# Altium PCB MotorController_ControlV1.1.PcbDoc
Units mil, origin at the board's own origin, x right, y up, seen from the top; angles counter-clockwise.
Board outline 2175.38 x 2765.94 mil, 2 copper layers (Top Layer, Bottom Layer); 82 components, 97 nets, 367 pads, 120 vias.
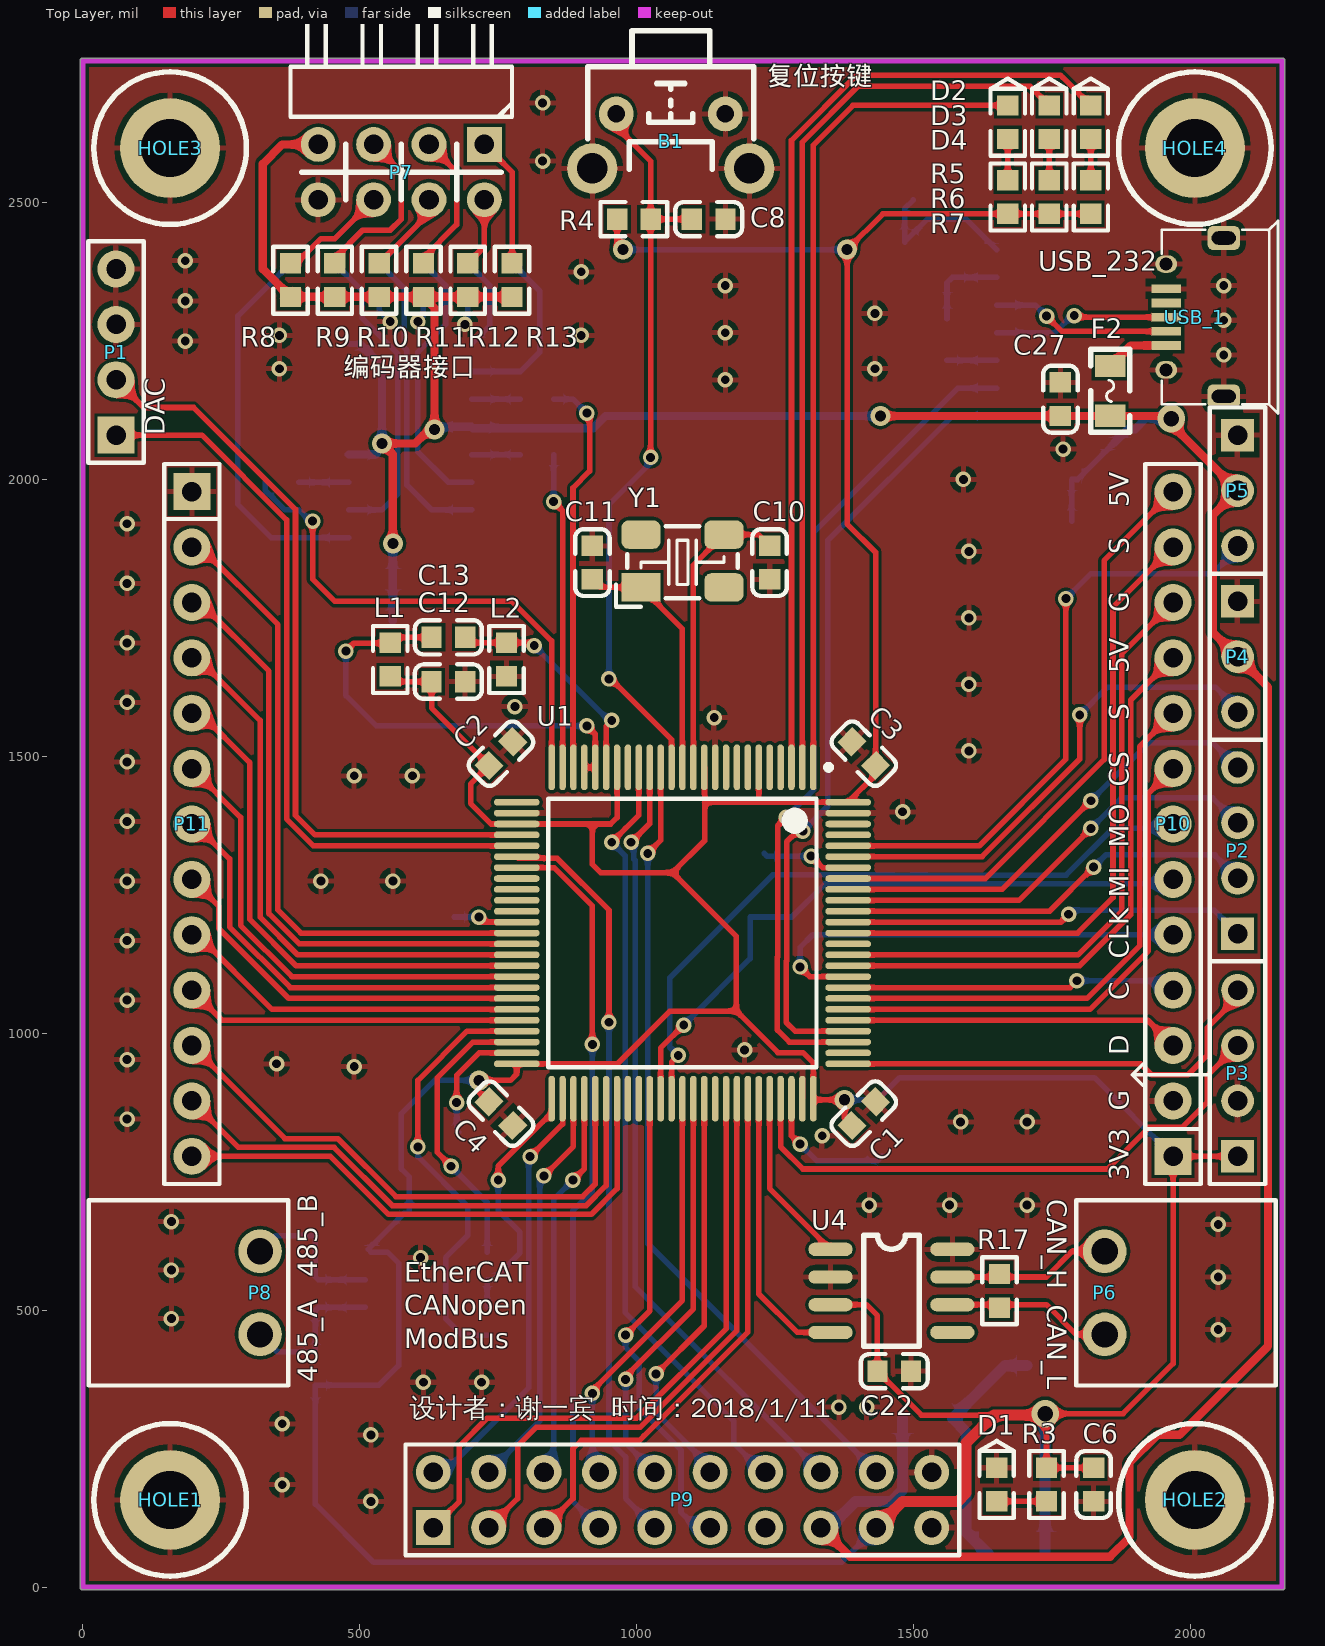
[diagram p0: Top Layer view]
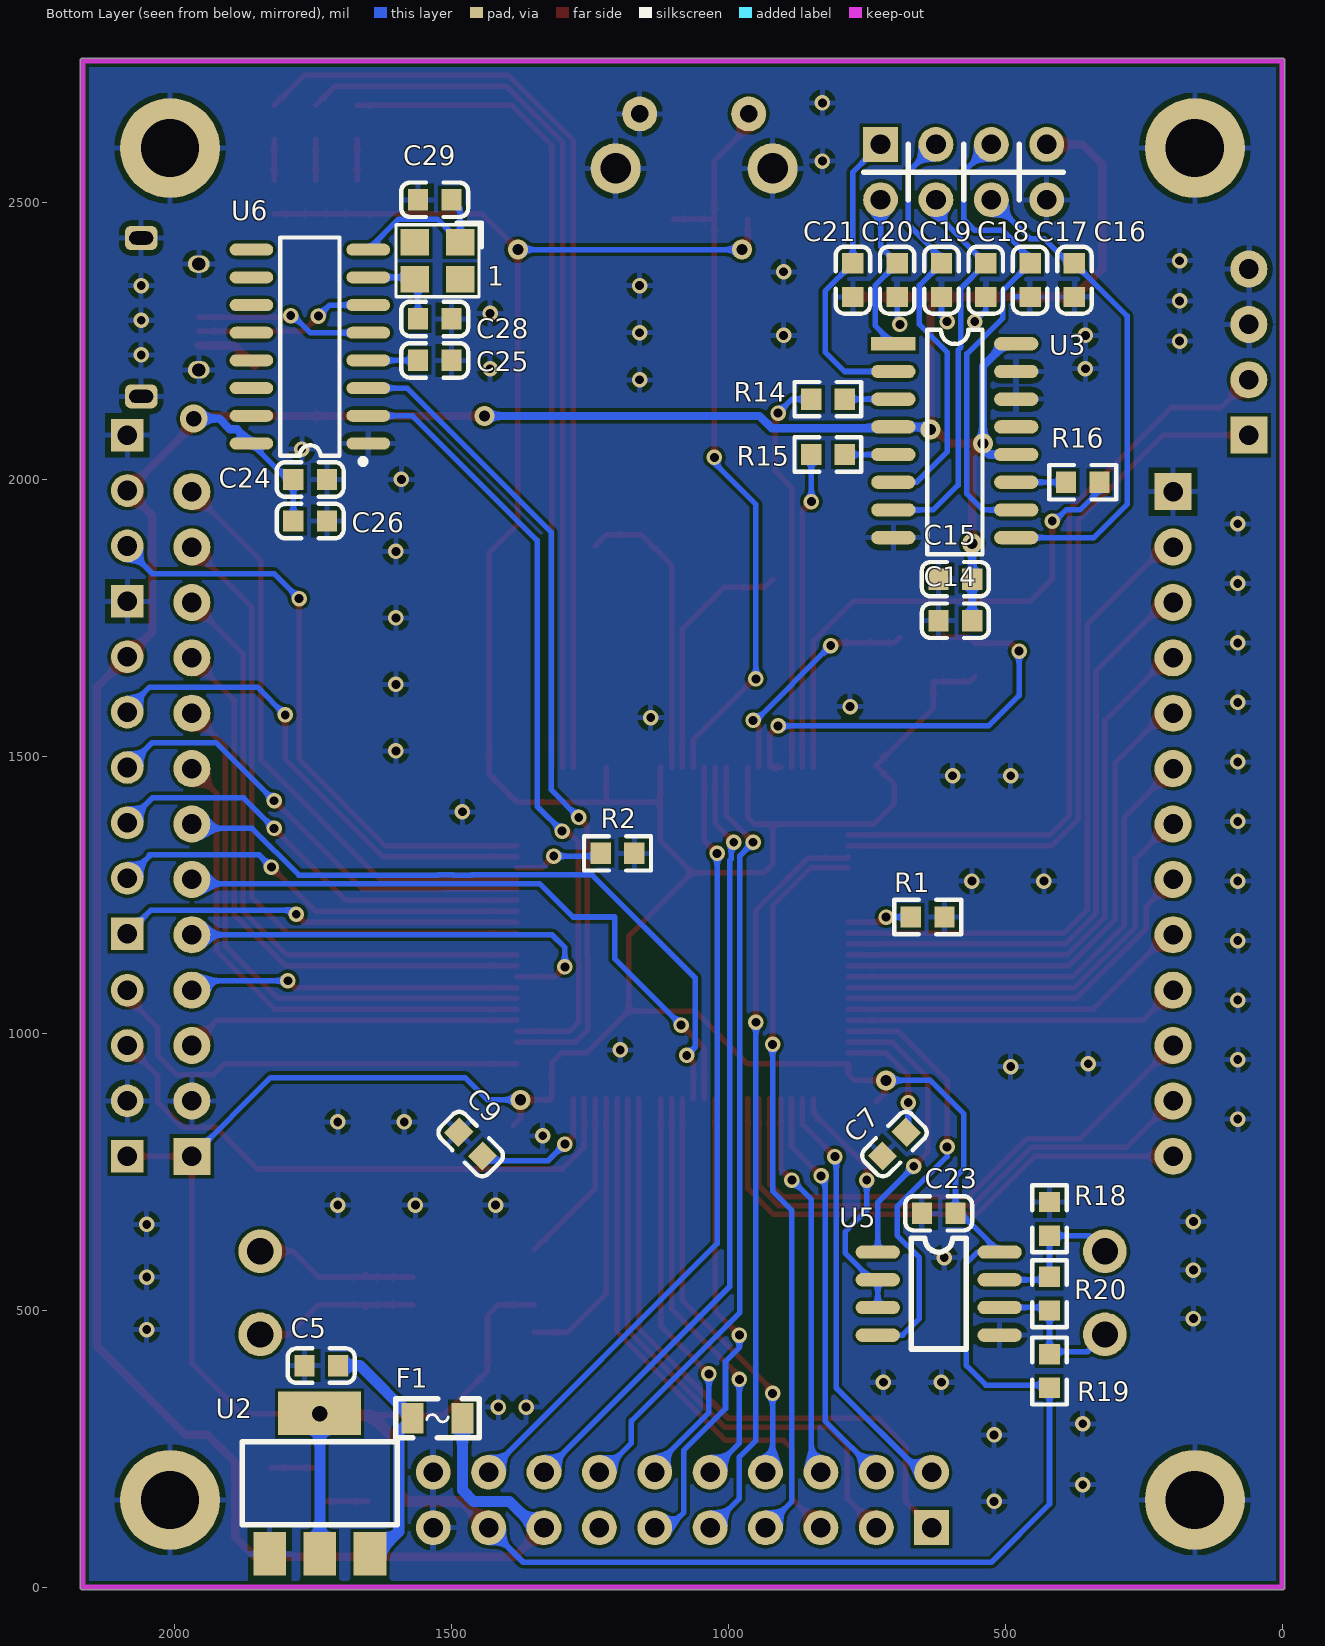
[diagram p1: Bottom Layer view, seen from below]

## Layer stack, top to bottom
Top Solder: solder mask 0.4, Solder Resist, Dk 3.5
Top Layer: signal copper 1.4
Dielectric 1: dielectric 12.6, FR-4, Dk 4.8
Bottom Layer: signal copper 1.4
Bottom Solder: solder mask 0.4, Solder Resist, Dk 3.5

## Board outline
-5.02,0 ccw(c0,0) 0,-5.01 2165.35,-5.01 ccw(c2165.35,0) 2170.37,0 2170.37,2755.91 ccw(c2165.35,2755.91) 2165.35,2760.92 0,2760.92 ccw(c0,2755.91) -5.02,2755.91

## Design rules (kind name [scope] priority, off if disabled: settings)
Clearance [All] p1: gap=6
PolygonConnect [All] p1: connectstyle=Relief reliefconductorwidth=10 reliefentries=4 polygonreliefangle="90 Angle" airgapwidth=10
RoutingVias [All] p1: holewidth=16 width=28 viastyle="Through Hole" minholewidth=16 minwidth=28 maxholewidth=28 maxwidth=50
SolderMaskExpansion [All] p1: expansion=4
Width [All] p1: maxlimit=100 minlimit=10 preferedwidth=10
30 further rules are at their usual default settings.

## Components (designator, comment, footprint, x,y, rotation, side; value= is the part's Value field where it differs from the comment)
1 "XTAL_4" "OSC 3225-4P" 1525,2395 r0 bottom
B1 "SW-PB" "TSW DIP-3*6*5_V" 1061.57,2660 r180 top
C1 "104" 0603_C 1410,855 r225 top
C2 "104" 0603_C 755,1505 r225 top
C3 "104" 0603_C 1410,1505 r315 top
C4 "104" 0603_C 755,855 r135 top
C5 "104" 0603_C 1735,400 r180 bottom
C6 "106" 0603_C 1825,185.31 r90 top
C7 "2.2uF" 0603_C 700,800 r135 bottom
C8 "104" 0603_C 1130,2470 r180 top
C9 "2.2uF" 0603_C 1465,800 r225 bottom
C10 "20p" 0603_C 1240,1850 r90 top
C11 "104" 0603_C 920,1850 r270 top
C12 "104" 0603_C 660,1635 r180 top
C13 "104" 0603_C 660,1715 r180 top
C14 "Cap" 0603_C 590,1745 r0 bottom
C15 "Cap" 0603_C 590,1820 r0 bottom
C16 "Cap" 0603_C 375,2360 r270 bottom
C17 "Cap" 0603_C 455,2360 r270 bottom
C18 "Cap" 0603_C 535,2360 r270 bottom
C19 "Cap" 0603_C 615,2360 r270 bottom
C20 "Cap" 0603_C 695,2360 r270 bottom
C21 "Cap" 0603_C 775,2360 r270 bottom
C22 "Cap" 0603_C 1465,390 r180 top
C23 "Cap" 0603_C 620,675 r180 bottom
C24 "106" 0603_C 1755,2000 r180 bottom
C25 "104" 0603_C 1530,2215 r0 bottom
C26 "104" 0603_C 1755,1925 r180 bottom
C27 "104" 0603_C 1765,2145 r270 top
C28 "22pF" 0603_C 1530,2290 r0 bottom
C29 "22pF" 0603_C 1530,2505 r180 bottom
D1 "LED" 0603_LED 1650,185.31 r270 top
D2 "LED" 0603_LED 1670,2645 r270 top
D3 "LED" 0603_LED 1745,2645 r270 top
D4 "LED" 0603_LED 1820,2645 r270 top
F1 "500ma" "FU 0805" 1525,305 r0 bottom
F2 "500ma" "FU 0805" 1855,2160 r90 top
HOLE1 "HOLE" M2.5x6+6_L 157.48,157.48 r0 top
HOLE2 "HOLE" M2.5x6+6_L 2007.87,157.48 r0 top
HOLE3 "HOLE" M2.5x6+6_L 157.48,2598.43 r0 top
HOLE4 "HOLE" M2.5x6+6_L 2007.87,2598.43 r0 top
L1 "120R100M磁珠" 0603_R 555,1675 r90 top
L2 "120R100M磁珠" 0603_R 765,1675 r90 top
P1 "Header 4" HDR2.54-LI-4P 60,2230 r90 top
P2 "Header 4" HDR1X4#1 2085,1180 r90 top
P3 "Header 4" HDR1X4#2 2085,777.95 r90 top
P4 "Header 3" HDR1X3 2085,1780 r270 top
P5 "Header 3" HDR1X3 2085,2080 r270 top
P6 "EDG3.81" 3.81EDG_2*1W 1845,531.5 r270 top
P7 "Header 4X2" HDR2.54-WI-2x4P 575,2555 r180 top
P8 "EDG3.81" 3.81EDG_2*1W 320,531.5 r90 top
P9 "Header 10X2" HDR2.54-LI-2x10P 1082.68,157.48 r0 top
P10 "Header 13" HDR2.54-LI-13P 1968.5,1377.95 r90 top
P11 "Header 13" HDR2.54-LI-13P 196.85,1377.95 r270 top
R1 "10K" 0603_R 640,1210 r0 bottom
R2 "10K" 0603_R 1200,1325 r180 bottom
R3 "1K" 0603_R 1740,185.31 r90 top
R4 "10K" 0603_R 995,2470 r180 top
R5 "1K" 0603_R 1670,2510 r90 top
R6 "1K" 0603_R 1745,2510 r90 top
R7 "1K" 0603_R 1820,2510 r90 top
R8 "Res2" 0603_R 375,2360 r90 top
R9 "Res2" 0603_R 455,2360 r90 top
R10 "Res2" 0603_R 535,2360 r90 top
R11 "Res2" 0603_R 615,2360 r90 top
R12 "Res2" 0603_R 695,2360 r90 top
R13 "Res2" 0603_R 775,2360 r90 top
R14 "Res2" 0603_R 820,2145 r0 bottom
R15 "Res2" 0603_R 820,2045 r0 bottom
R16 "Res2" 0603_R 360,1995 r180 bottom
R17 "Res2" 0603_R 1655,535 r270 top
R18 "Res2" 0603_R 420,665 r270 bottom
R19 "Res2" 0603_R 420,390.31 r90 bottom
R20 "Res2" 0603_R 420,530 r270 bottom
U1 "STM32F407VET6" LQFP-100_M 1082.68,1181.1 r270 top
U2 "ASM1117-3V3" SOT-223 1740,190.31 r180 bottom
U3 "MC3486" SO-16N 692.9,2244.9 r180 bottom
U4 "VP230" SOP-8 1350,610 r0 top
U5 "SP3485" SOP-8 730,605 r180 bottom
U6 "CH340G" SOP16 1755,2240 r0 bottom
USB_1 "USB" USB_AB 1956,2241.82 r270 top
Y1 "XTAL_4" "OSC 5032-4P" 1082.68,1850.39 r0 top

## Footprints (in the part's own frame and the unit in brackets; to place one, negate y for a bottom-side part, rotate by r counter-clockwise, add the part's x,y. Pads: shape width x height; smd on the part's side, far side on the other; paste and mask are expansions set on the pad)
3.81EDG_2*1W [mm]
  round 2 hole 1.2: 1(-1.905,0) 2(1.905,0)
  silkscreen extent -4.25,-1.3 4.25,7.85
0603_C [mm]
  rect 0.93x0.98 smd: 1(-0.77,0) 2(0.77,0)
  silkscreen extent -1.53,-0.79 1.54,0.79, body extent -0.8,-0.4 0.8,0.4, height 0.3
0603_LED [mm]
  rect 0.93x0.98 smd: 1(0.77,0) 2(-0.77,0)
  silkscreen extent -2,-0.79 1.53,0.79, body extent -0.8,-0.4 0.8,0.4, height 0.6
0603_R [mm]
  rect 0.93x0.98 smd: 1(-0.77,0) 2(0.77,0)
  silkscreen extent -1.53,-0.79 1.54,0.79, body extent -0.85,-0.4 0.85,0.4, height 0.56
"FU 0805" [mil] "贴片保险丝"
  rect 40x55 smd: 1(-45,0) 2(45,0)
  silkscreen extent -75,-35 75,35, body extent -39,-24 39,24, height 20
HDR1X3 [mm] "Connector; Header; 3 Position"
  rect 1.5x1.5 hole 0.9: 1(0,0)
  round 1.5 hole 0.9: 2(2.54,0) 3(5.08,0)
  silkscreen extent -1.27,-1.27 6.35,1.27
HDR1X4#1 [mm] "Connector; Header; 4 Position"
  rect 1.5x1.5 hole 0.9: 1(0,0)
  round 1.5 hole 0.9: 2(2.54,0) 3(5.08,0) 4(7.62,0)
  silkscreen extent -1.27,-1.27 8.89,1.27
HDR1X4#2 [mm]
  rect 1.5x1.5 hole 0.889: 1(0,0)
  round 1.5 hole 0.889: 2(2.54,0) 3(5.08,0) 4(7.62,0)
  silkscreen extent -1.27,-1.27 8.94,1.27
HDR2.54-LI-2x10P [mm] "双排排针，10x2脚"
  rect 1.6x1.6 hole 0.9: 1(-11.43,-1.27)
  round 1.6 hole 0.9: 2(-11.43,1.27) 3(-8.89,-1.27) 4(-8.89,1.27) 5(-6.35,-1.27) 6(-6.35,1.27) 7(-3.81,-1.27) 8(-3.81,1.27) 9(-1.27,-1.27) 10(-1.27,1.27) 11(1.27,-1.27) 12(1.27,1.27) 13(3.81,-1.27) 14(3.81,1.27) 15(6.35,-1.27) 16(6.35,1.27) 17(8.89,-1.27) 18(8.89,1.27) 19(11.43,-1.27) 20(11.43,1.27)
  silkscreen extent -12.7,-2.54 12.7,2.54, body extent -12.7,-2.54 12.7,2.54, height 8.5
HDR2.54-LI-4P [mm] "排针，4脚"
  rect 1.7x1.7 hole 0.9: 1(-3.81,0)
  round 1.7 hole 0.9: 2(-1.27,0) 3(1.27,0) 4(3.81,0)
  silkscreen extent -5.08,-1.27 5.08,1.27, body extent -5.08,-1.27 5.08,1.27, height 8.5
HDR2.54-LI-13P [mm] "排针，13脚"
  rect 1.7x1.7 hole 0.9: 1(-15.24,0)
  round 1.7 hole 0.9: 2(-12.7,0) 3(-10.16,0) 4(-7.62,0) 5(-5.08,0) 6(-2.54,0) 7(0,0) 8(2.54,0) 9(5.08,0) 10(7.62,0) 11(10.16,0) 12(12.7,0) 13(15.24,0)
  silkscreen extent -16.51,-1.27 16.51,1.27, body extent -16.51,-1.27 16.51,1.27, height 8.5
HDR2.54-WI-2x4P [mm] "双排弯脚排针，4x2脚"
  rect 1.6x1.6 hole 0.9: 1(-3.81,-1.27)
  round 1.6 hole 0.9: 2(-3.81,1.27) 3(-1.27,-1.27) 4(-1.27,1.27) 5(1.27,-1.27) 6(1.27,1.27) 7(3.81,-1.27) 8(3.81,1.27)
  silkscreen extent -5.08,-11.06 5.08,1.27, body extent -5.08,-11.23 5.08,1.62, height 5.1
LQFP-100_M [mm]
  oval 2.1x0.3 smd: 1(-7.6,6) 2(-7.6,5.5) 3(-7.6,5) 4(-7.6,4.5) 5(-7.6,4) 6(-7.6,3.5) 7(-7.6,3) 8(-7.6,2.5) 9(-7.6,2) 10(-7.6,1.5) 11(-7.6,1) 12(-7.6,0.5) 13(-7.6,0) 14(-7.6,-0.5) 15(-7.6,-1) 16(-7.6,-1.5) 17(-7.6,-2) 18(-7.6,-2.5) 19(-7.6,-3) 20(-7.6,-3.5) 21(-7.6,-4) 22(-7.6,-4.5) 23(-7.6,-5) 24(-7.6,-5.5) 25(-7.6,-6) 51(7.6,-6) 52(7.6,-5.5) 53(7.6,-5) 54(7.6,-4.5) 55(7.6,-4) 56(7.6,-3.5) 57(7.6,-3) 58(7.6,-2.5) 59(7.6,-2) 60(7.6,-1.5) 61(7.6,-1) 62(7.6,-0.5) 63(7.6,0) 64(7.6,0.5) 65(7.6,1) 66(7.6,1.5) 67(7.6,2) 68(7.6,2.5) 69(7.6,3) 70(7.6,3.5) 71(7.6,4) 72(7.6,4.5) 73(7.6,5) 74(7.6,5.5) 75(7.6,6)
  oval 0.3x2.1 smd: 26(-6,-7.6) 27(-5.5,-7.6) 28(-5,-7.6) 29(-4.5,-7.6) 30(-4,-7.6) 31(-3.5,-7.6) 32(-3,-7.6) 33(-2.5,-7.6) 34(-2,-7.6) 35(-1.5,-7.6) 36(-1,-7.6) 37(-0.5,-7.6) 38(0,-7.6) 39(0.5,-7.6) 40(1,-7.6) 41(1.5,-7.6) 42(2,-7.6) 43(2.5,-7.6) 44(3,-7.6) 45(3.5,-7.6) 46(4,-7.6) 47(4.5,-7.6) 48(5,-7.6) 49(5.5,-7.6) 50(6,-7.6) 76(6,7.6) 77(5.5,7.6) 78(5,7.6) 79(4.5,7.6) 80(4,7.6) 81(3.5,7.6) 82(3,7.6) 83(2.5,7.6) 84(2,7.6) 85(1.5,7.6) 86(1,7.6) 87(0.5,7.6) 88(0,7.6) 89(-0.5,7.6) 90(-1,7.6) 91(-1.5,7.6) 92(-2,7.6) 93(-2.5,7.6) 94(-3,7.6) 95(-3.5,7.6) 96(-4,7.6) 97(-4.5,7.6) 98(-5,7.6) 99(-5.5,7.6) 100(-6,7.6)
  silkscreen extent -7.72,-6.15 6.15,6.82, body extent -7,-7 7,7, height 0.8
M2.5x6+6_L [mm] "M2.5铜柱，长：6mm，螺纹长：6mm"
  round 4.58 hole 2.675: 1(0,0)
  silkscreen extent -3.5,-3.5 3.5,3.5, body extent -2.7,-2.35 2.7,2.35, height 6.05
"OSC 3225-4P" [mm] "3.2*2.5*0.7mm(长宽高)"
  rect 1.3x1.2 smd: 1(-1.05,-0.85) 2(1.05,-0.85) 3(1.05,0.85) 4(-1.05,0.85)
  silkscreen extent -2.03,-1.75 1.91,1.65, body extent -1.6,-1.25 1.6,1.25, height 0.7
"OSC 5032-4P" [mm] "5mm*3.2mm*0.8mm(长*宽*高)"
  rect 1.8x1.3 smd: 1(-1.9,-1.15)
  rrect50% 1.8x1.3 smd: 2(1.9,-1.15) 3(1.9,1.272) 4(-1.9,1.272)
  silkscreen extent -3.05,-2.03 2.54,1.65, body extent -2.5,-1.6 2.5,1.6, height 0.86
SO-16N [mil]
  rect 80x24 smd: 1(-9,0.1)
  oval 80x24 smd: 2(-9,-49.9) 3(-9,-99.9) 4(-9,-149.9) 5(-9,-199.9) 6(-9,-249.9) 7(-9,-299.9) 8(-9,-349.9) 9(212.9,-349.9) 10(212.9,-299.9) 11(212.9,-249.9) 12(212.9,-199.9) 13(212.9,-149.9) 14(212.9,-99.9) 15(212.9,-49.9) 16(212.9,0.1)
  silkscreen extent 52,-380 152,25
SOP16 [mm] "（蒜米工坊）"
  oval 2x0.55 smd: 1(-2.667,4.445) 2(-2.667,3.175) 3(-2.667,1.905) 4(-2.667,0.635) 5(-2.667,-0.635) 6(-2.667,-1.905) 7(-2.667,-3.175) 8(-2.667,-4.445) 9(2.692,-4.445) 10(2.692,-3.175) 11(2.692,-1.905) 12(2.692,-0.635) 13(2.692,0.635) 14(2.692,1.905) 15(2.692,3.175) 16(2.692,4.445)
  silkscreen extent -2.55,-5 1.37,5.39, body extent -2.92,-4.99 2.98,4.99, height 1.45
SOP-8 [mil]
  oval 80x24 smd: 1(0,0) 2(0,-50) 3(0,-100) 4(0,-150) 5(220,-150) 6(220,-100) 7(220,-50) 8(220,0)
  silkscreen extent 60,-175 160,25, body extent -15,-173 235,24, height 74
SOT-223 [mil]
  rect 59x79 smd: 1(-88,-130) 2(2.55,-130) 3(93.1,-130)
  rect 150x79 smd: 4(1.88,123.54)
  silkscreen extent -137,-78 143,72, body extent -126,-139 130,135, height 67
"TSW DIP-3*6*5_V" [mm] "侧按轻触开关 3*6*5mm"
  round 2.3 hole 1.4: 1(-3.6,2.5) 1(3.6,2.5)
  round 1.6 hole 0.8: 1(-2.5,0) 2(2.5,0)
  silkscreen extent -3.81,-3.81 3.81,2.54, body extent -4,-3.75 4,3.5, height 4.45
USB_AB [mm]
  rect 0.4x1.35 smd: 1(0,0) 2(-0.65,0) 3(-1.3,0) 4(-1.95,0) 5(-2.6,0)
  rrect50% 1.1x1.5 hole 0.6 slot 1.1 at 90 deg: 5(-4.932,2.642) 5(2.332,2.642)
  oval 0.8x1 hole 0.6: 5(-3.738,0) 5(1.113,0)
  silkscreen extent -5.72,-0.2 3.12,5.13, body extent -5.33,-0.28 2.72,5.3, height 2.74

## Part data
1 Y1: "Crystal Oscillator"
B1: "Switch"
C1 C2 C3 C4 C7 C8 C9 C10 C11 C24 C25 C26 C27 C28 C29: library part C
C5 C6 C12 C13: library part C, "C"
C14 C15 C16 C17 C18 C19 C20 C21 C22 C23: "Capacitor"
F1 F2 R1 R2 R3 R4 R5 R6 R7: library part R
L1 L2: library part L_1, "L"
P1 P2 P3: "Header, 4-Pin"
P4 P5: "Header, 3-Pin"
P6 P8: library part HT3.96
P7: "Header, 4-Pin, Dual row"
P9: "Header, 10-Pin, Dual row"
P10 P11: "Header, 13-Pin"
R8 R9 R10 R11 R12 R13 R14 R15 R16 R17 R18 R19 R20: "Resistor"
U2: library part ASM1117, "3.3V稳压芯片"
U3: library part Component_1
U6: "USB2UART"
USB_1: library part USB5

## Via types
v1: diameter 28, hole 16, Top Layer to Bottom Layer, 110 vias
v2: diameter 36, hole 20, Top Layer to Bottom Layer, 8 vias
v3: diameter 50, hole 28, Top Layer to Bottom Layer, 2 vias

## Nets (pads, with @x,y where several pads share a name; then routed paths per layer and width w, separated by ;. In a path a pad name is that pad's centre, name@x,y a point inside that pad or via, vN(x,y) a via of type N, cw(c..) or ccw(c..) an arc to the next point about the centre after c; other vN are vias at no path point)
3V3: C1.2 C2.2 C3.2 C4.2 C6.2 C12.2 C22.2 C23.2 L1.1 P3.1 P9.17 P10.1 R3.2 R4.2 R5.1 R6.1 R7.1 R19.1 U1.6 U1.11 U1.19 U1.28 U1.50 U1.75 U1.100 U2.2 U2.4 U4.3 U5.8 | length 9585.5
  Top Layer w10: L1.1@554.8,1643.78 563.58,1635 C12.2 629.68,1587.44 C2.2 700,1450 700,1415 737.05,1377.95 U1.28 920,1377.95 ; C4.2 715,895 v2(715,915) 772.13,915 783.47,926.34 U1.50 964.88,944.88 1060,1040 1180,1040 ; U1.19 964.57,1389.57 952.95,1377.95 920,1377.95 ; R4.2 964.68,2425.32 v2(975,2415) ; U1.11 1122.68,1479.68 1122.68,1417.32 ; U1.6 1220.47,1417.8 1220,1417.32 ; U4.3 1415,510 1434.68,490.32 C22.2 1514.05,310.64 1645.64,310.64 ; C1.2 1375,847.13 v2(1375,880) 1320.79,880 U1.75 1318.9,946.1 1300,965 1255,965 1180,1040 ; v3(1737.45,313.19) 1878.19,313.19 1968.5,403.5 P10.1 P3.1 ; v3@1740,310.64 R3.2 C6.2 ; R7.1 R6.1 R5.1 1444.69,2479.69 v2(1380,2415) 1380,1920 1431.44,1868.56 C3.2 1431.44,1466.87 U1.100 1220,1417.32 ; 920,1377.95 920,1305 935,1290 1065,1290 ; 1065,1290 1180,1175 1180,1040 ; 1065,1290 1122.68,1347.68 1122.68,1417.32 ; 1122.68,1417.32 1220,1417.32
  Top Layer w20: P9.17 1480.2,155 1580,155 1595,170 1595,260 1645.64,310.64 v3@1740,310.64
  Bottom Layer w10: U5.8@515,610 580,675 C23.2 589.68,740.32 575,755 575,855 635,915 v2(715,915) ; U5.8@520,605 550,605 570,585 570,400 534.69,364.69 420,364.69 R19.1 420,150 525,45 1370.2,45 P9.17 ; v2(975,2415) v2(1380,2415) ; v2(1375,880) 1435,880 1475,920 1826.46,920 P10.1
  Bottom Layer w20: U2.2 v3(1737.45,313.19) U2.4
3V3A: C13.2 L1.2 U1.21 U1.22 | length 803.5
  Top Layer w10: v1(475,1690) 489.41,1704.41 554.8,1704.41 565.39,1715 C13.2 ; U1.22 U1.21 925.2,1539.8 v1(910,1555)
  Bottom Layer w10: v1(475,1690) 475,1610 530,1555 v1(910,1555)
5V: C14.1 C15.1 C24.1 C26.1 C27.2 F1.1 F2.1 P4.2 P5.2 P7.7 P9.15 R8.1 R9.1 R10.1 R11.1 R12.1 R13.1 U3.4 U3.12 U3.16 U6.16 | length 6550.6
  Top Layer w15: P7.7 360,2605 325,2570 325,2379.69 R8.1 R9.1 R10.1 R11.1 ; v2(559.69,1884.69) 559.69,2045.31 v2(540,2065) 600,2065 625,2090 v2(635,2090) 635,2309.69 R11.1 ; R13.1 R12.1 R11.1 ; P9.15 1385.16,55 1855,55 1890,90 1890,225 1940,275 1980,275 2140,435 2140,1625 P4.2 2040,1725 2040,1935 P5.2 1965.32,2099.68 v3@1965.32,2114.68 ; v2(1440,2114.68) C27.2 v3@1965,2114.68
  Bottom Layer w10: U3.16 U3.16@500,2245 ; 530,2045 540,2055 v2(540,2065) ; v2(635,2090) v2@640,2095 ; C26.1 C24.1 1796,2000 U6.16
  Bottom Layer w15: U3.12 530,2045 ; U3.16@500,2245 540,2205 v2(540,2065) ; C14.1 C15.1 v2(559.69,1884.69) ; v2@640,2095 U3.4 704.4,2092.5 921.39,2092.5 943.58,2114.68 v2(1440,2114.68) ; U6.16 1886.67,2090.67 1899.62,2090.67 1918.95,2110 v3(1965,2110)
  Bottom Layer w20: P9.15 1347.48,107.48 1395,155 1460,155 1480.17,175.17 1480.17,227.33 1480,227.5 F1.1
A+: C21.1 P7.1 R13.2 U3.2 | length 789.4
  Top Layer w10: P7.1 775,2555 R13.2
  Bottom Layer w10: U3.2 790,2195 825,2230 825,2340.31 C21.1 775,2555 P7.1
A-: C20.1 P7.2 R12.2 U3.1 | length 429.8
  Top Layer w10: R12.2 725,2420.32 P7.2
  Bottom Layer w10: U3.1 735,2278.1 735,2350.31 C20.1 725,2420.31 P7.2
AGND: C13.1 L2.2 U1.20 | length 416.3
  Top Layer w10: C13.1 700,1705.32 L2.2 810.32,1705.32 810,1705 v1(815,1700) ; U1.20 944.88,1554.88 v1(955,1565)
  Bottom Layer w10: v1(815,1700) 950,1565 v1(955,1565)
B+: C19.1 P7.3 R11.2 U3.6 | length 1017.8
  Top Layer w10: R11.2 615,2400 675,2460 675,2555 P7.3
  Bottom Layer w10: P7.3 675,2555 675,2460 615,2400 C19.1 655,2350.31 655,2280 605,2230 605,2050 660,1995 U3.6
B-: C18.1 P7.4 R10.2 U3.7 | length 860.8
  Top Layer w10: R10.2 625,2480.32 P7.4
  Bottom Layer w10: C18.1@535,2390 C18.1@535.16,2390.16 ; C18.1 C18.1@535.16,2390.16 ; P7.4 625,2480 C18.1@535.16,2390.16 ; U3.7 630,1945 585,1990 585,2233.3 580,2238.3 580,2345.31 C18.1@535.16,2390.16
BEEP: P9.11 U1.60 | length 841.7
  Top Layer w10: v1(980,455) 1023.62,498.62 U1.60
  Bottom Layer w10: v1(980,455) 980,432.63 1005,407.63 1005,322.37 1080,247.37 1080,135 P9.11@1105,110
CAN_RX: U1.70 U4.4 | length 510.7
  Top Layer w10: U1.70 1220.47,529.53 1290,460 U4.4
CAN_TX: U1.71 U4.1 | length 317.4
  Top Layer w10: U1.71 1240.16,719.84 U4.1
"CH340 D+": U6.5 USB_1.3 | length 320.1
  Top Layer w10: v1(1790,2296) 1793,2293 USB_1.3
  Bottom Layer w10: U6.5 1755,2265 1786,2296 v1(1790,2296)
"CH340 D-": U6.6 USB_1.2 | length 325.7
  Top Layer w10: v1(1740,2295) 1767.59,2267.41 USB_1.2
  Bottom Layer w10: U6.6 1720,2315 v1(1740,2295)
CH340_RX4: U1.78 U6.3 | length 1500.9
  Top Layer w10: v1(1270,1390) 1255,1375 1255,1137.98 1254,1136.98 1254,1006 1275.75,984.25 U1.78
  Bottom Layer w10: v1(1270,1390) 1320,1440 1320,1905 1580,2165 U6.3
CH340_TX4: U1.79 U6.2 | length 1423.7
  Top Layer w10: v1(1300,1365) 1290,1365 1271,1346 1271,1131.36 1270,1130.36 1270,1020 1286.06,1003.94 U1.79
  Bottom Layer w10: v1(1300,1365) 1345,1410 1345,1890 1570,2115 U6.2
CURRENT_U_AMP: P9.14 U1.17 | length 1402.6
  Top Layer w10: v1(955,1345) 955,1345.36 979.64,1370 980,1370 1003.94,1393.94 U1.17
  Bottom Layer w10: v1(955,1345) 955,1344.64 979,1320.64 979,496 1175,300 1175,260 P9.14@1225,210
CURRENT_V_AMP: P9.16 U1.16 | length 1430.6
  Top Layer w10: v1(990,1345) 1023.62,1378.62 U1.16
  Bottom Layer w10: v1(990,1345) 997.32,1337.68 995,1335.36 995,1314.64 997.32,1312.32 997.32,542.84 P9.16
CURRENT_W_AMP: P9.18 U1.15 | length 1453.4
  Top Layer w10: v1(1020,1325) 1043.31,1348.31 U1.15
  Bottom Layer w10: v1(1020,1325) 1020,620.16 P9.18
DAC_OUT1: P1.2 U1.29 | length 1387.4
  Top Layer w10: P1.2 110,2130 200,2130 384,1946 384,1393.63 419.36,1358.27 U1.29
DAC_OUT2: P1.1 U1.30 | length 1346.9
  Top Layer w10: P1.1 215,2080 368,1927 368,1387 416.42,1338.58 U1.30
ENC_A_T5: R14.2 U1.23 | length 724.6
  Top Layer w10: U1.23 885,1481.14 885,1985 915,2015 915,2115 v1(910,2120)
  Bottom Layer w10: R14.2 885,2145 v1(910,2120)
ENC_B_T5: R15.2 U1.24 | length 571.5
  Top Layer w10: v1(850,1960) 866.14,1943.86 U1.24
  Bottom Layer w10: v1(850,1960) 850,2044.68 R15.2
ENC_Z_T5: R16.2 U1.25 | length 933.8
  Top Layer w10: v1(415,1925) 415,1820 455,1780 775,1780 846.46,1708.54 U1.25
  Bottom Layer w10: R16.2 329.68,1980.32 365,1945 390,1945 410,1925 v1(415,1925)
FSMC_D0: P10.6 U1.61 | length 1187.2
  Top Layer w10: U1.61 1043.31,973.31 v1(1085,1015)
  Bottom Layer w10: v1(1085,1015) 1205,1135 1205,1210 1280,1210 1340,1270 1456.53,1270 1456.82,1269.71 1502.55,1269.71 1502.84,1270 1517.16,1270 1517.45,1269.71 1960.26,1269.71 P10.6
FSMC_D1: P10.7 U1.62 | length 1253.6
  Top Layer w10: U1.62 1062.99,947.99 v1(1075,960)
  Bottom Layer w10: v1(1075,960) 1060,975 1060,1100.36 1245.64,1286 1463.16,1286 1463.45,1285.71 1495.92,1285.71 1496.21,1286 1523.79,1286 1524.08,1285.71 1775.35,1285.71 1859.64,1370 1960.55,1370 P10.7
FSMC_D2: P10.8 U1.81 | length 933.3
  Top Layer w10: U1.81 1818.31,1043.31 1924.04,1149.04 1924.04,1433.49 P10.8
FSMC_D3: P10.9 U1.82 | length 1010.5
  Top Layer w10: U1.82 1812.99,1062.99 1908.04,1158.04 1908.04,1517.49 P10.9
FSMC_D4: P11.2 U1.38 | length 1176.9
  Top Layer w10: P11.2 212.05,1877.95 352,1738 352,1223 393.9,1181.1 U1.38
FSMC_D5: P11.3 U1.39 | length 1098.3
  Top Layer w10: P11.3 212.05,1777.95 336,1654 336,1216.37 390.95,1161.42 U1.39
FSMC_D6: P11.4 U1.40 | length 1016.8
  Top Layer w10: P11.4 207.05,1677.95 320,1565 320,1209.75 388.01,1141.73 U1.40
FSMC_D7: P11.5 U1.41 | length 941.2
  Top Layer w10: P11.5 212.05,1577.95 301,1489 301,1206.12 385.07,1122.05 U1.41
FSMC_D8: P11.6 U1.42 | length 856.3
  Top Layer w10: P11.6 285,1389.8 285,1195 377.64,1102.36 U1.42
FSMC_D9: P11.7 U1.43 | length 780.8
  Top Layer w10: P11.7 202.05,1377.95 265,1315 265,1192.37 374.7,1082.68 U1.43
FSMC_D10: P11.8 U1.44 | length 699.1
  Top Layer w10: P11.8 245,1229.8 245,1189.75 371.75,1062.99 U1.44
FSMC_D11: P11.9 U1.45 | length 642.4
  Top Layer w10: P11.9 207.05,1177.95 341.69,1043.31 U1.45
FSMC_D12: P11.10 U1.46 | length 609.1
  Top Layer w10: P11.10 251.18,1023.62 U1.46
FSMC_D13: P11.11 U1.55 | length 1004.9
  Top Layer w10: P11.11 364.85,809.95 460.3,809.95 565.25,705 902.37,705 925.2,727.82 U1.55
FSMC_D14: P11.12 U1.56 | length 998.2
  Top Layer w10: P11.12 280.85,793.95 453.67,793.95 558.63,689 909,689 944.88,724.88 U1.56
FSMC_D15: P11.13 U1.57 | length 992.8
  Top Layer w10: P11.13 447.05,777.95 552,673 918,673 964.57,719.57 U1.57
FSMC_NE1: P10.12 U1.88 | length 1182.5
  Top Layer w10: U1.88 1796.1,1181.1 1860.04,1245.04 1860.04,1769.49 P10.12
FSMC_NL: P10.13 U1.93 | length 1086.5
  Top Layer w10: U1.93 1629.53,1279.53 1844.04,1494.04 1844.04,1853.49 P10.13
FSMC_NOE: P10.10 U1.85 | length 1043.6
  Top Layer w10: U1.85 1799.67,1122.05 1892.04,1214.41 1892.04,1601.49 P10.10
FSMC_NWE: P10.11 U1.86 | length 1122.2
  Top Layer w10: U1.86 1796.73,1141.73 1876.04,1221.04 1876.04,1685.49 P10.11
GND: B1.1 C1.1 C2.1 C3.1 C4.1 C5.1 C6.1 C7.1 C8.1 C9.1 C10.1 C11.1 C12.1 C14.2 C15.2 C16.2 C17.2 C18.2 C19.2 C20.2 C21.2 C22.1 C23.1 C24.2 C25.1 C26.2 C27.1 C28.1 C29.1 D1.2 HOLE1.1 HOLE2.1 HOLE3.1 HOLE4.1 L2.1 P1.3 P1.4 P3.2 P4.1 P5.1 P7.8 P9.19 P9.20 P10.2 P11.1 R1.1 R2.2 R18.1 U1.10 U1.27 U1.74 U1.99 U2.1 U3.8 U3.14 U3.15 U4.2 U4.8 U5.5 U6.1 USB_1.5 | length 182.2
  Bottom Layer w10: C17.2 483.63,2329.68 ; C18.2 535,2305 v1(555,2285) ; v1(605,2285) 615,2295 C19.2 ; v1(690,2280) 695,2285 C20.2
  other v1: 520,155 360,185 520,275 360,295 1365,325 1415,325 615,370 720,370 2050,465 160,485 2050,560 160,572.5 610,595 2050,655 160,660 1420,690 1565,690 1705,690 1335,815 1585,840 1705,840 80,845 490,940 350,945 80,952.5 1195,970 80,1060 80,1167.5 80,1275 430,1275 560,1275 80,1382.5 1480,1400 490,1465 595,1465 80,1490 1600,1510 1140,1570 780,1590 80,1597.5 1600,1630 80,1705 1600,1750 80,1812.5 1600,1870 80,1920 1590,2000 1770,2055 1160,2180 355,2200 1430,2200 2060,2225 185,2250 355,2260 900,2260 1160,2265 2060,2287.5 1430,2300 185,2322.5 1160,2350 2060,2350 900,2375 185,2395 830,2575 830,2680
HALL_U_T3: P9.8 U1.63 | length 747
  Top Layer w10: v1(920,350) 920,355 1082.68,517.68 U1.63
  Bottom Layer w10: v1(920,350) 920,220.16 P9.8
HALL_V_T3: P9.10 U1.64 | length 746.9
  Top Layer w10: v1(980,375) 980,380 1102.36,502.36 U1.64
  Bottom Layer w10: v1(980,375) 980,260.16 P9.10
HALL_W_T3: P9.12 U1.65 | length 765.6
  Top Layer w10: v1(1035,385) 1122.05,472.05 U1.65
  Bottom Layer w10: v1(1035,385) 1035,315 P9.12@1150,200
IRQ: P10.3 U1.80 | length 605.5
  Top Layer w10: U1.80 1922.83,1023.62 P10.3
LED0: D2.2 U1.1 | length 1504.3
  Top Layer w10: U1.1 1318.9,2603.9 1390.31,2675.32 D2.2
LED1: D3.2 U1.2 | length 1630.8
  Top Layer w10: U1.2 1299.21,2609.21 1400,2710 1710.32,2710 D3.2
LED2: D4.2 U1.3 | length 1743.8
  Top Layer w10: U1.3 1279.53,2612.16 1397.37,2730 1765,2730 1770,2725 1770.32,2725 D4.2
Net1_1: 1.1 C29.2 U6.8 | length 289.5
  Bottom Layer w10: C29.2 1483.66,2488.98 1.1 1525.2,2470 1595,2470 U6.8
Net1_3: 1.3 C28.2 U6.7 | length 159.1
  Bottom Layer w10: C28.2 1560.32,2355.51 1.3 1569.8,2365 U6.7
NetC5_2: C5.2 F1.2 U2.3 | length 446
  Bottom Layer w20: U2.3@1635,60 1595,100 1595,280 F1.2 1665,400 C5.2
NetC7_2: C7.2 U1.49 | length 229.4
  Top Layer w10: v1(675,875) 675,924.14 715.43,964.57 U1.49
  Bottom Layer w10: v1(675,875) 675,825 C7.2
NetC9_2: C9.2 U1.73 | length 252.8
  Top Layer w10: U1.73 1279.53,815.47 v1(1295,800)
  Bottom Layer w10: v1(1295,800) 1325,770 1435,770 C9.2
NetC10_2: C10.2 U1.12 Y1.3 | length 533.9
  Top Layer w10: U1.12 1102.36,1845.35 Y1.3 1219.84,1900.47 C10.2
NetC11_2: C11.2 U1.13 Y1.1 | length 449.7
  Top Layer w10: C11.2 934.57,1805.12 Y1.1 1082.68,1730.32 U1.13
NetC25_2: C25.2 U6.4 | length 89.7
  Bottom Layer w10: C25.2 U6.4
NetD1_1: D1.1 R3.1 | length 90
  Top Layer w10: D1.1 R3.1
NetD2_1: D2.1 R5.2 | length 74.4
  Top Layer w10: R5.2 D2.1
NetD3_1: D3.1 R6.2 | length 74.4
  Top Layer w10: R6.2 D3.1
NetD4_1: D4.1 R7.2 | length 74.4
  Top Layer w10: R7.2 D4.1
NetF2_2: F2.2 USB_1.1 | length 116.3
  Top Layer w15: F2.2 1891.82,2241.82 USB_1.1
NetP6_1: P6.1 R17.1 U4.7 | length 296.5
  Top Layer w10: U4.7 1649.69,560 R17.1 ; R17.1@1655,560 1739.69,560 1786.18,606.5 P6.1
NetP6_2: P6.2 R17.2 U4.6 | length 299.4
  Top Layer w10: U4.6 1649.68,510 R17.2 ; R17.2@1655,510 1739.69,510 1793.19,456.5 P6.2
NetP8_1: P8.2 R18.2 R20.1 U5.7 | length 278.2
  Bottom Layer w10: P8.2 348.19,634.68 R18.2 R20.1 425.31,555 U5.7
NetP8_2: P8.1 R19.2 R20.2 U5.6 | length 279.5
  Bottom Layer w10: P8.1 351.18,425.32 420,425.32 R20.2 425.32,505 U5.6
NetR1_2: R1.2 U1.37 | length 117
  Top Layer w10: v1(715,1210) 724.21,1200.79 U1.37
  Bottom Layer w10: R1.2 v1(715,1210)
NetR2_1: R2.1 U1.94 | length 162.3
  Top Layer w10: v1(1315,1320) 1335.79,1299.21 U1.94
  Bottom Layer w10: R2.1 1235.31,1320 v1(1315,1320)
NetR14_1: R14.1 U3.3 | length 87.8
  Bottom Layer w10: U3.3 R14.1
NetR15_1: R15.1 U3.5 | length 87.8
  Bottom Layer w10: U3.5 R15.1
NetR16_1: R16.1 U3.11 | length 89.7
  Bottom Layer w10: R16.1 U3.11
PWM_U_H_T1: P9.1 U1.67 | length 1151.6
  Top Layer w10: P9.1 680,154.8 680,255 730,305 1000,305 1161.42,466.42 U1.67
PWM_U_L_T1: P9.2 U1.52 | length 782.7
  Top Layer w10: v1(807.5,777.5) 866.14,836.14 U1.52
  Bottom Layer w10: P9.2 652.48,207.48 805,360 805,775 v1(807.5,777.5)
PWM_V_H_T1: P9.3 U1.68 | length 1070.1
  Top Layer w10: P9.3 785,159.8 785,255 819,289 1006.63,289 1181.1,463.47 U1.68
PWM_V_L_T1: P9.4 U1.53 | length 737.8
  Top Layer w10: v1(832.5,742.5) 885.83,795.83 U1.53
  Bottom Layer w10: P9.4 825,299.8 825,735 v1(832.5,742.5)
PWM_W_H_T1: P9.5 U1.69 | length 988.5
  Top Layer w10: P9.5 885,159.8 885,250 900,265 1005,265 1013,273 1013.25,273 1200.79,460.53 U1.69
PWM_W_L_T1: P9.6 U1.54 | length 704.6
  Top Layer w10: v1(885,735) 905.51,755.51 U1.54
  Bottom Layer w10: P9.6 850,224.8 850,700 v1(885,735)
RESET: B1.2 C8.2 R4.1 U1.14 | length 1359.8
  Top Layer w10: v1(950,1640) 953.35,1640 1062.99,1530.36 U1.14 ; B1.2 963.15,2636.85 1025.31,2574.69 R4.1 ; v1(1025,2040) 1025,2469.69 R4.1 ; C8.2 R4.1
  Bottom Layer w10: v1(950,1640) 950,1955 1025,2030 v1(1025,2040)
RS485_RE: U1.51 U5.2 U5.3 | length 463.6
  Top Layer w10: v1(750,735) 750,760 846.46,856.46 U1.51
  Bottom Layer w10: U5.3 U5.2 740.53,555 789,603.47 789,641 750,680 v1(750,735)
RS485_RX3: U1.47 U5.4 | length 786.6
  Top Layer w10: v1(605,795) 605,915 693.94,1003.94 U1.47
  Bottom Layer w10: v1(605,795) 605,777.37 695,687.37 695,635 655,595 655,485 685,455 U5.4
RS485_TX3: U1.48 U5.1 | length 522.4
  Top Layer w10: v1(665,760) 640,785 640,920 704.25,984.25 U1.48
  Bottom Layer w10: v1(665,760) 730,695 U5.1
SPI3_CLK: P2.1 U1.89 | length 729.6
  Top Layer w10: U1.89 1765.79,1200.79 v1(1780,1215)
  Bottom Layer w10: v1(1780,1215) 1787.42,1222.42 2042.58,1222.42 P2.1
SPI3_CS: P2.4 U1.92 | length 831.6
  Top Layer w10: U1.92 1659.84,1259.84 v1(1820,1420)
  Bottom Layer w10: v1(1820,1420) 1925,1525 2040,1525 P2.4
SPI3_MISO: P2.2 U1.90 | length 764.3
  Top Layer w10: U1.90 1745.47,1220.47 v1(1825,1300)
  Bottom Layer w10: v1(1825,1300) 1847.42,1322.42 2045,1322.42 2045,1320 P2.2
SPI3_MOSI: P2.3 U1.91 | length 798.3
  Top Layer w10: U1.91 1690.16,1240.16 v1(1820,1370)
  Bottom Layer w10: v1(1820,1370) 1875,1425 2040,1425 P2.3
SWCLK: P3.4 U1.76 | length 811.6
  Top Layer w10: U1.76 1910.12,944.88 1930,925 1995,925 2030,960 2030,1010 2085,1065 P3.4
SWDIO: P3.3 U1.72 | length 1049
  Top Layer w10: U1.72 1259.84,795.16 1300,755 1850,755 1925,830 1985,830 2030,875 2030,922.95 P3.3
SYNC0: P10.4 U1.83 | length 598.8
  Top Layer w10: U1.83 1782.68,1082.68 v1(1795,1095)
  Bottom Layer w10: v1(1795,1095) 1951.46,1095 P10.4
SYNC1: P10.5 U1.84 | length 812.2
  Top Layer w10: v1(1295,1120) 1312.64,1102.36 U1.84
  Bottom Layer w10: v1(1295,1120) 1295,1155 1317.95,1177.95 P10.5
T4C3: P4.3 U1.95 | length 898.3
  Top Layer w10: U1.95 1623.9,1318.9 1800,1495 v1(1800,1575)
  Bottom Layer w10: v1(1800,1575) 1850,1625 2045,1625 2085,1585 P4.3
T4C4: P5.3 U1.96 | length 1100.2
  Top Layer w10: U1.96 1618.58,1338.58 1775,1495 v1(1775,1785)
  Bottom Layer w10: v1(1775,1785) 1820,1830 2040,1830 2085,1875 P5.3
V_BUS: P9.9 U1.31 | length 1355.8
  Top Layer w10: U1.31 786.24,1316.12 856.51,1316.12 950,1222.63 v1(950,1020)
  Bottom Layer w10: v1(950,1020) 950,265 980,235 980,160.16 P9.9
V_THERMAL: P9.7 U1.32 | length 1335.4
  Top Layer w10: U1.32 850.79,1299.21 920,1230 v1(920,980)
  Bottom Layer w10: v1(920,980) 920,715 885,680 885,155 935,105 P9.7@935,95
Z+: C17.1 P7.5 R9.2 U3.10 | length 1193.3
  Top Layer w10: R9.2 455,2400 505,2450 555,2450 575,2470 575,2555 P7.5
  Bottom Layer w10: U3.10 540,1945 569,1974 569,2226.67 504.71,2290.96 504.71,2340.61 C17.1 455,2400 505,2450 555,2450 575,2470 575,2555 P7.5
Z-: C16.1 P7.6 R8.2 U3.9 | length 1084.7
  Top Layer w10: R8.2 385.32,2390.32 430,2435 455,2435 P7.6
  Bottom Layer w10: C16.1 280,2295.31 280,1955 340,1895 U3.9 ; C16.1@385,2390 430,2435 455,2435 P7.6
pads on no net: 1.2 1.4 P9.13 U1.4 U1.5 U1.7 U1.8 U1.9 U1.18 U1.26 U1.33 U1.34 U1.35 U1.36 U1.58 U1.59 U1.66 U1.77 U1.87 U1.97 U1.98 U3.13 U4.5 U6.9 U6.10 U6.11 U6.12 U6.13 U6.14 U6.15 USB_1.4 Y1.2 Y1.4

## Polygon pours and split planes (outlines as drawn)
GND on Top Layer "GND_L01_P000" (solid, remove dead copper, pour order 0): 0,2755.91 2165.35,2755.91 2165.35,0 0,0
GND on Bottom Layer "GND_L02_P002" (solid, remove dead copper, pour order 2): 0,2755.91 2165.35,2755.91 2165.35,0 0,0

## Keep-outs
Keep-Out Layer:
  lines w10: 9305,5645 9310,5650 ; 0,0 2165.35,0 2165.35,2755.91 0,2755.91 0,0

## Silkscreen, mask and mechanical layers (free items; w line width, h text height)
Top Overlay:
  lines w6: 1915,905 1895,925 ; 1915,945 1895,925 ; 2035,925 1905,925 1895,925
  text "复位按键" at 1235,2700 h60
  text "USB_232" at 1725,2365 h60
  text "编码器接口" at 470,2175 h60
  text "DAC" at 160,2080 h60 r90
  text "5V" at 1900,1950 h60 r90
  text "S" at 1900,1865 h60 r90
  text "G" at 1900,1760 h60 r90
  text "5V" at 1900,1650 h60 r90
  text "S" at 1900,1565 h60 r90
  text "CS" at 1900,1445 h60 r90
  text "MO" at 1900,1335 h60 r90
  text "MI" at 1900,1245 h60 r90
  text "CLK" at 1900,1135 h60 r90
  text "C" at 1900,1060 h60 r90
  text "D" at 1900,960 h60 r90
  text "G" at 1900,860 h60 r90
  text "3V3" at 1900,735 h60 r90
  text "CAN_H" at 1730,700 h60 r270
  text "485_B" at 435,560 h60 r90
  text "CAN_L" at 1730,510 h60 r270
  text "EtherCAT / CANopen / ModBus" at 580,420 h60
  text "485_A" at 435,370 h60 r90
  text "设计者：谢一宾  时间：2018/1/11" at 590,295 h60